# KiCad board handcart.kicad_pcb (continued)
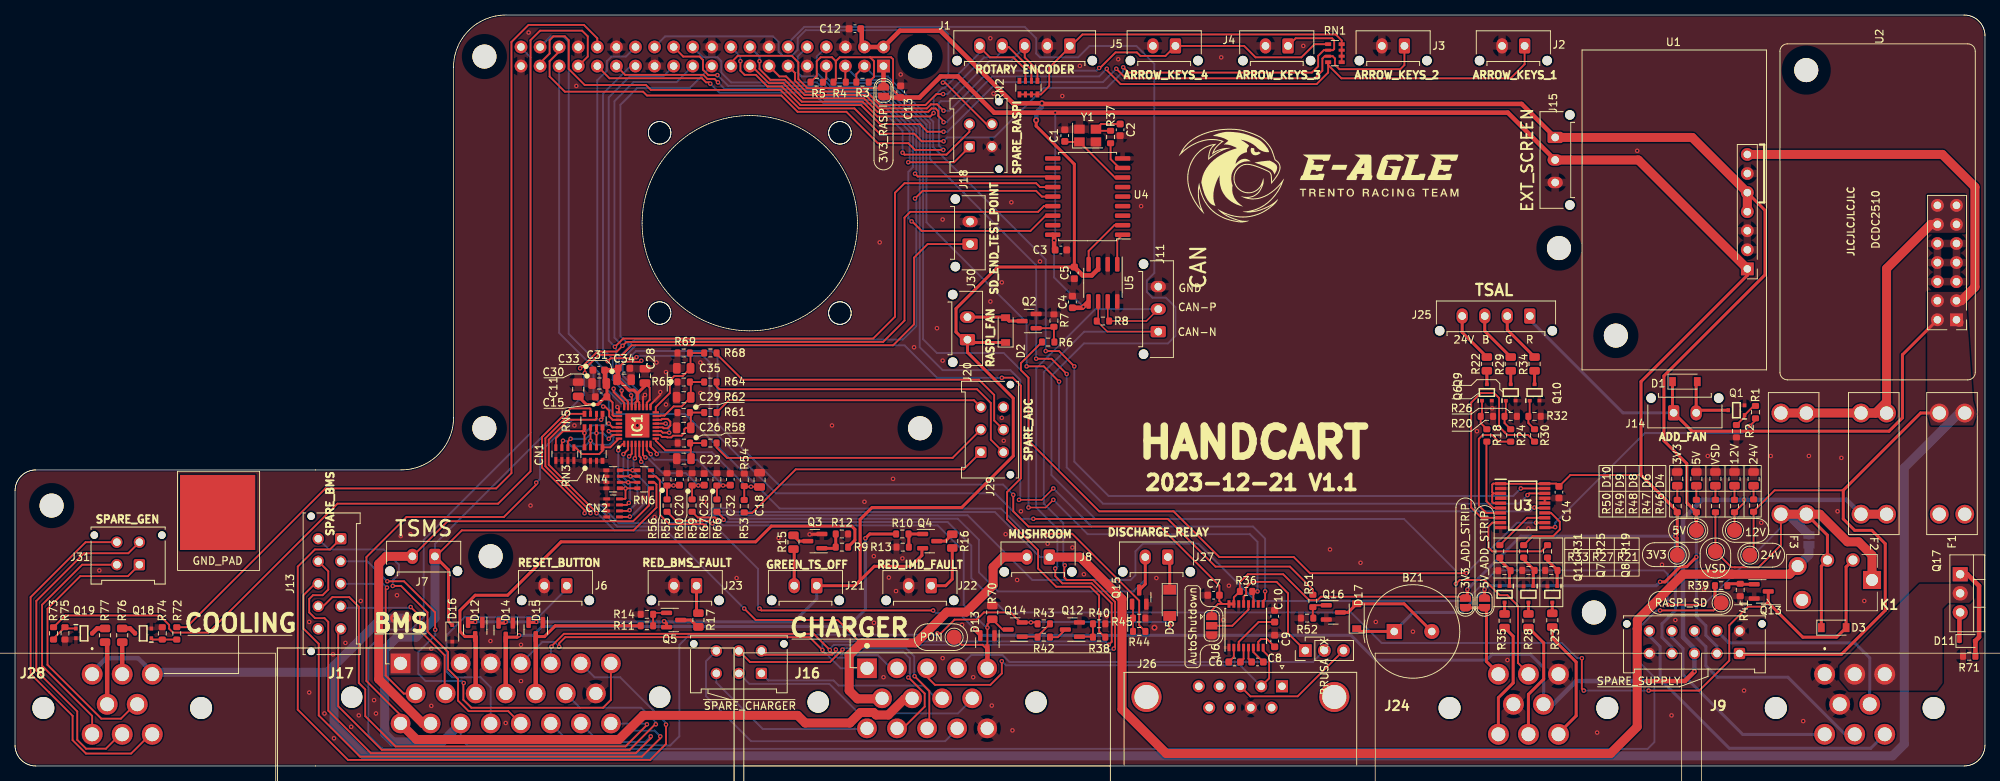
[diagram p0: board, top side]
## Nets
+3.3V: J1.1 RN1.1 RN1.2 RN1.3 RN1.4 RN2.1 RN2.2 RN2.3 RN2.4
+3V3: C3.1 C4.1 C7.1 C11.1 C13.1 C14.1 C15.1 C28.1 C30.1 C31.1 C33.1 C34.1 IC1.18 IC1.20 IC1.21 IC1.26 J10.4 J15.2 JP2.2 JP4.2 JP6.1 R3.1 R4.1 R5.1 R36.1 R50.1 TP1.1 U1.1 U3.1 U3.3 U3.5 U3.20 U4.18 U5.5 U6.15 U6.16
+5V: BZ1.1 C5.1 C12.1 D2.1 D12.2 D14.2 D15.2 D17.1 J10.2 J15.1 J19.2 J19.4 J20.1 J21.1 JP3.2 Q4.2 Q5.2 R49.1 TP2.1 U1.4 U1.5 U5.3
+12V: D13.2 F2.2 J10.3 J24.5 R47.1 R55.2 TP4.1
+24V: D1.1 F1.2 J10.1 J14.1 J17.1 J17.2 J25.1 J28.1 J28.3 R46.1 TP3.1 U1.7 U2.1 U2.2 U2.3 U2.4
GND: C1.2 C2.2 C3.2 C4.2 C5.2 C7.2 C9.2 C10.2 C11.2 C12.2 C13.2 C14.2 C15.2 C18.2 C20.2 C22.2 C25.2 C26.2 C28.2 C29.2 C30.2 C31.2 C32.2 C33.2 C34.2 C35.2 CN1.1 CN1.2 CN1.3 CN1.4 CN2.1 CN2.2 CN2.3 CN2.4 D4.1 D6.1 D8.1 D9.1 D10.1 D12.1 D13.1 D14.1 D15.1 D16.2 IC1.17 IC1.19 IC1.25 IC1.33 J1.2 J2.2 J3.2 J4.2 J5.2 J6.2 J9.1 J9.4 J10.5 J10.6 J11.3 J15.3 J16.14 J17.3 J17.4 J17.15 J18.3 J19.6 J19.9 J19.14 J19.20 J19.25 J19.30 J19.34 J19.39 J22.2 J23.2 J24.3 J24.4 J26.7 J29.6 J30.2 JP6.3 Q1.2 Q2.2 Q3.2 Q6.2 Q7.2 Q8.2 Q9.2 Q10.2 Q11.2 Q12.2 Q13.2 Q15.2 Q16.2 Q18.2 Q19.2 R2.2 R7.2 R12.2 R13.2 R14.2 R20.2 R21.2 R26.2 R27.2 R32.2 R33.2 R40.2 R41.2 R45.2 R52.2 R54.1 R56.1 R58.1 R60.1 R62.1 R65.1 R67.1 R69.1 R70.2 R71.2 R74.2 R75.2 RN3.5 RN3.6 RN3.7 RN3.8 RN4.5 RN4.6 RN4.7 RN4.8 U1.2 U1.3 U1.6 U2.5 U2.6 U2.7 U2.8 U2.9 U2.10 U3.2 U3.4 U3.10 U3.16 U3.17 U4.9 U5.2 U5.8 U6.1 U6.14 Y1.2 Y1.4
/ADD_FAN_PWM: R1.2 U3.11
/BMS_LED: D15.3 J17.13 R11.1
/BRUSA_RX: J16.4 JP5.2
/BRUSA_TX: J16.3 J26.2 U6.8
/BUT_0: J1.5 J19.15 RN2.7
/BUT_1: J2.1 J19.16 RN1.8
/BUT_2: J3.1 J19.18 RN1.7
/BUT_3: J4.1 J19.37 RN1.6
/BUT_4: J5.1 J19.13 RN1.5
/CAN_N: J11.1 J16.2 J17.6 R8.2 U5.6
/CAN_P: J11.2 J16.1 J17.5 R8.1 U5.7
/IMD_LED: D14.3 J17.12 R10.1
/Indicators/ADD_RGB_STRIP: J19.12 J24.2
/Indicators/RASPY_FAN_PWM: R6.2 U3.12
/Indicators/RASPY_STRIP1_B: R31.2 U3.13
/Indicators/RASPY_STRIP1_G: R25.2 U3.14
/Indicators/RASPY_STRIP1_R: R19.2 U3.9
/Indicators/RASPY_TSAL_B: R30.2 U3.8
/Indicators/RASPY_TSAL_G: R24.2 U3.7
/Indicators/RASPY_TSAL_R: R18.2 U3.6
/Indicators/SCL: J19.5 R4.2 U3.18
/Indicators/SDA: J19.3 R3.2 U3.19
/Indicators/STRIP1_B: J24.6 R35.2
/Indicators/STRIP1_G: J24.7 R28.2
/Indicators/STRIP1_R: J24.8 R23.2
/Indicators/TSAL_B: J25.2 R34.2
/Indicators/TSAL_G: J25.3 R29.2
/Indicators/TSAL_R: J25.4 R22.2
/Indicators/~{OE}: J19.7 R5.2 U3.15
/NC_BMS_1: J13.1 J17.7
/NC_BMS_2: J13.2 J17.8
/NC_BMS_3: J13.3 J17.9
/NC_BMS_4: J13.4 J17.10
/NC_BMS_5: J13.5 J17.14
/NC_BMS_6: J13.6 J17.20
/NC_BMS_7: J13.7 J17.21
/NC_BMS_8: J13.8 J17.22
/NC_BMS_9: J13.9 J17.23
/NC_CRG_1: J12.1 J16.8
/NC_CRG_2: J12.2 J16.9
/NC_CRG_3: J12.3 J16.10
/NC_CRG_4: J12.4 J16.11
/NC_CRG_5: J12.5 J16.12
/NC_CRG_6: J12.6 J16.13
/NC_IN_1: J9.5 J10.7
/NC_IN_2: J9.6 J10.9
/NC_IN_3: J9.7 J10.8
/NC_IN_4: J9.8 J10.10
/PON: D13.3 J16.5 Q14.3 R59.2 R70.1 TP7.1
/RASP_PON_CONTROL: J19.40 R39.2 TP6.1
/RASP_PON_DISCHARGER: J19.35 R44.1
/RASP_SD_CONTROL: J19.38 R38.2
/Raspberry/BUZZER: J19.28 R51.1
/Raspberry/CAN_~{INT}: J19.22 U4.12
/Raspberry/NC_RASP_1: J18.1 J19.29
/Raspberry/NC_RASP_2: J18.2 J19.31
/Raspberry/NC_RASP_3: J18.4 J19.26
/Raspberry/RASP_CLK: IC1.22 J19.23 U4.13
/Raspberry/RASP_MISO: IC1.27 J19.21 U4.15
/Raspberry/RASP_MOSI: IC1.24 J19.19 U4.14
/Raspberry/RASP_~{CS}: J19.24 U4.16
/RESET_BUTTON: J6.1 J17.19
/ROT_A: J1.3 J19.36 RN2.5
/ROT_B: J1.4 J19.11 RN2.6
/RS_232+FEEDBACK/ADC_0: CN1.8 IC1.29 RN3.4 RN5.5
/RS_232+FEEDBACK/ADC_1: CN1.7 IC1.30 RN3.3 RN5.6
/RS_232+FEEDBACK/ADC_2: CN1.6 IC1.31 RN3.2 RN5.7
/RS_232+FEEDBACK/ADC_3: CN1.5 IC1.32 RN3.1 RN5.8
/RS_232+FEEDBACK/ADC_4: CN2.8 IC1.1 RN4.1 RN6.8
/RS_232+FEEDBACK/ADC_5: CN2.7 IC1.2 RN4.2 RN6.7
/RS_232+FEEDBACK/ADC_6: CN2.6 IC1.3 RN4.3 RN6.6
/RS_232+FEEDBACK/ADC_7: CN2.5 IC1.4 RN4.4 RN6.5
/RS_232+FEEDBACK/ADC_8: C20.1 IC1.5 R55.1 R56.2
/RS_232+FEEDBACK/ADC_9: C25.1 IC1.6 R59.1 R60.2
/RS_232+FEEDBACK/ADC_10: C32.1 IC1.7 R66.1 R67.2
/RS_232+FEEDBACK/ADC_11: C18.1 IC1.8 R53.1 R54.2
/RS_232+FEEDBACK/ADC_12: C22.1 IC1.9 R57.1 R58.2
/RS_232+FEEDBACK/ADC_13: C26.1 IC1.10 R61.1 R62.2
/RS_232+FEEDBACK/ADC_14: C29.1 IC1.15 R64.1 R65.2
/RS_232+FEEDBACK/ADC_15: C35.1 IC1.16 R68.1 R69.2
/RS_232+FEEDBACK/COIL_DISCHARGE_FB: J27.2 Q15.3 RN6.3
/RS_232+FEEDBACK/COOLING_1: J28.2 R76.2
/RS_232+FEEDBACK/COOLING_2: J28.4 R77.2
/RS_232+FEEDBACK/NC_ADC_11: J29.1 R53.2
/RS_232+FEEDBACK/NC_ADC_12: J29.2 R57.2
/RS_232+FEEDBACK/NC_ADC_13: J29.3 R61.2
/RS_232+FEEDBACK/NC_ADC_14: J29.4 R64.2
/RS_232+FEEDBACK/NC_ADC_15: J29.5 R68.2
/RS_232+FEEDBACK/NC_GEN_1: J28.5 J31.1
/RS_232+FEEDBACK/NC_GEN_2: J28.6 J31.2
/RS_232+FEEDBACK/NC_GEN_3: J28.7 J31.3
/RS_232+FEEDBACK/NC_GEN_4: J28.8 J31.4
/RS_232+FEEDBACK/PC_TX: J26.3 JP5.3
/RS_232+FEEDBACK/RASP_COOL_1: J19.32 R72.2
/RS_232+FEEDBACK/RASP_COOL_2: J19.33 R73.2
/RS_232+FEEDBACK/RASP_RX: J19.10 U6.9
/RS_232+FEEDBACK/RASP_TX: J19.8 R36.2 U6.11
/RS_232+FEEDBACK/RASP_TX_RS232: JP5.1 U6.13
/RS_232+FEEDBACK/RELAY_SUTHDOWN_FB: D3.2 K1.2 Q13.3 R66.2
/RS_232+FEEDBACK/~{CS}: IC1.23 J19.27
/SD_BMS_IN: J16.7 J17.16 RN5.1
/SD_BMS_OUT: J7.2 J17.17 RN6.1
/SD_END: D5.2 D16.1 J7.1 J17.18 J30.1 Q14.2 R43.1 RN6.2
/SD_TO_CHARGER: J8.2 J16.6 RN5.2
/SD_TO_MUSHROOM: J8.1 JP1.2 K1.4 RN5.3
/TSAL: D12.3 J17.11 R9.1
VSD: D3.1 F3.2 JP1.1 K1.1 K1.3 R48.1 RN5.4 TP5.1
Net-(BZ1-Pad2): BZ1.2 D17.2 Q16.3
Net-(C1-Pad1): C1.1 U4.7 Y1.1
Net-(C2-Pad1): C2.1 R37.2 Y1.3
Net-(C6-Pad1): C6.1 U6.2
Net-(C6-Pad2): C6.2 U6.4
Net-(C8-Pad1): C8.1 U6.5
Net-(C8-Pad2): C8.2 U6.6
Net-(C9-Pad1): C9.1 U6.7
Net-(C10-Pad1): C10.1 U6.3
Net-(D1-Pad2): D1.2 J14.2 Q1.3
Net-(D2-Pad2): D2.2 J20.2 Q2.3
Net-(D4-Pad2): D4.2 R46.2
Net-(D5-Pad1): D5.1 J27.1
Net-(D6-Pad2): D6.2 R47.2
Net-(D8-Pad2): D8.2 R48.2
Net-(D9-Pad2): D9.2 R49.2
Net-(D10-Pad2): D10.2 R50.2
Net-(D11-Pad1): D11.1 F1.1 Q17.3
Net-(D11-Pad2): D11.2 Q17.1 R71.1
Net-(F2-Pad1): F2.1 F3.1 U2.11 U2.12 U2.13 U2.14
Net-(IC1-Pad11): IC1.11 IC1.13
Net-(IC1-Pad12): IC1.12 IC1.14
Net-(J9-Pad2): J9.2 J9.3 Q17.2
Net-(J19-Pad1): J19.1 J19.17 JP2.1
Net-(J21-Pad2): J21.2 R15.2
Net-(J22-Pad1): J22.1 R16.2
Net-(J23-Pad1): J23.1 R17.2
Net-(J24-Pad1): J24.1 JP3.1 JP4.1
Net-(JP6-Pad2): JP6.2 U6.12
Net-(Q1-Pad1): Q1.1 R1.1 R2.1
Net-(Q2-Pad1): Q2.1 R6.1 R7.1
Net-(Q3-Pad1): Q3.1 R9.2 R12.1
Net-(Q3-Pad3): Q3.3 R15.1
Net-(Q4-Pad1): Q4.1 R10.2 R13.1
Net-(Q4-Pad3): Q4.3 R16.1
Net-(Q5-Pad1): Q5.1 R11.2 R14.1
Net-(Q5-Pad3): Q5.3 R17.1
Net-(Q6-Pad1): Q6.1 R18.1 R20.1
Net-(Q6-Pad3): Q6.3 R22.1
Net-(Q7-Pad1): Q7.1 R19.1 R21.1
Net-(Q7-Pad3): Q7.3 R23.1
Net-(Q8-Pad1): Q8.1 R25.1 R27.1
Net-(Q8-Pad3): Q8.3 R28.1
Net-(Q9-Pad1): Q9.1 R24.1 R26.1
Net-(Q9-Pad3): Q9.3 R29.1
Net-(Q10-Pad1): Q10.1 R30.1 R32.1
Net-(Q10-Pad3): Q10.3 R34.1
Net-(Q11-Pad1): Q11.1 R31.1 R33.1
Net-(Q11-Pad3): Q11.3 R35.1
Net-(Q12-Pad1): Q12.1 R38.1 R40.1
Net-(Q12-Pad3): Q12.3 R42.2
Net-(Q13-Pad1): Q13.1 R39.1 R41.1
Net-(Q14-Pad1): Q14.1 R42.1 R43.2
Net-(Q15-Pad1): Q15.1 R44.2 R45.1
Net-(Q16-Pad1): Q16.1 R51.2 R52.1
Net-(Q18-Pad1): Q18.1 R72.1 R74.1
Net-(Q18-Pad3): Q18.3 R76.1
Net-(Q19-Pad1): Q19.1 R73.1 R75.1
Net-(Q19-Pad3): Q19.3 R77.1
Net-(R37-Pad1): R37.1 U4.8
Net-(U4-Pad1): U4.1 U5.1
Net-(U4-Pad2): U4.2 U5.4

Pads without a net: GND_PAD GND; IC1 28; J13 10; J26 0 1 4 5 6 8 9; K1 5; RN2 8; RN6 4; U4 3 4 5 6 10 11 17; U6 10

## Via types
v1: diameter 0.6, hole 0.3, Top to Bottom, 257 vias
v2: diameter 0.8, hole 0.4, Top to Bottom, 4 vias
v3: diameter 1.2, hole 0.6, Top to Bottom, 2 vias

## Routing (per net, layer and track width the routed paths; a pad name or vN(x,y) marks a point on that pad's centre or on a via; arc(x,y) is an arc through that point)
+3.3V: length 50.9
  Top w0.25: RN1.1 RN1.2 RN1.3 RN1.4 176.6,96.62 175.81,97.42 142.09,97.42 137.68,93 137.68,90.54 136.57,89.43 RN2.4 RN2.1
+3V3: length 476.9
  Top w0.25: 109.26,93.6 109.26,93.86 109.79,94.38 113.82,94.38 113.84,94.37 ; 109.26,93.6 109.26,91.38 R4.1 ; 109.26,93.6 109.26,93.86 108.74,94.38 107.25,94.38 106.72,93.86 106.72,91.89 R5.1 ; C13.1 116.88,90.04 116.88,94.11 116.62,94.38 113.85,94.38 113.84,94.37 ; U6.16 160.9,21.58 ; 160.9,21.58 160.15,21.58 159.3,20.72 JP6.1 ; 160.9,21.58 160.72,21.58 160.32,21.98 160.32,22.73 ; IC1.26 79.69,46.6 79.55,46.74 79.55,48.41 C15.1 ; 216.45,38.94 216.25,38.74 207.04,38.74 C14.1 205.16,37.6 U3.20 ; C7.1 160.33,24 152.44,31.88 134.92,31.88 132.89,33.92 v1(132.89,36.11) ; 113.84,94.37 114.34,93.86 114.34,91.76 R3.1 ; U6.15 162.25,22.45 R36.1 163.05,24.45 164.13,25.53 168.82,25.53 172.27,22.08 173.37,22.08 173.84,22.54 192.91,22.54 ; U3.1 196.77,37.6 196.64,37.47 196.64,36.46 196.79,36.3 ; IC1.21 82.6,48.39 82.59,48.39 82.85,48.65 83.1,48.4 IC1.20 ; U3.5 196.82,35 196.64,35.19 196.64,36.15 196.79,36.3 ; C28.1 84.49,50.37 84.49,48.76 84.1,48.37 IC1.18 ; 203.63,37.59 197.78,37.59 ; 196.79,36.3 U3.3 ; v1(83.37,53.97) 83.22,53.82 82.47,53.82 82.45,53.84 81.13,53.84 80.25,52.97
  Top w0.4: C28.1 83.86,50.62 82.85,49.6 ; 78.61,49.16 77.59,48.14 77.26,48.14 77.26,48.14 76.05,48.14 C11.1 ; U1.1 230.6,65.34 216.45,51.19 216.45,38.74 221.28,33.92 ; 193.34,22.63 v1(193.34,23.5) ; 80.31,51.44 81.7,50.05 82.39,50.05 82.85,49.6 ; 82.85,49.6 82.85,48.65 ; U6.15 U6.16 ; TP1.1 221.28,30.36 v1(221.02,30.61) 221.28,30.87 221.28,33.79 ; C15.1 78.8,50.85
  Top w0.6: 78.54,50.99 78.54,52.71 80,52.71 80.25,52.97 80.25,51.45 ; 115.74,89.02 C13.1 120.41,89.02 123.22,91.83 125.52,91.83 130.35,87 198.72,87 J15.2 ; 138.32,68.85 v1(138.32,69.98) 138.32,70.56 U4.18 ; C4.1 142.08,61.02 v1(142.22,61.16) U5.5
  Top w1.2: J15.2 216.1,80.7 U1.1
  Bottom w0.25: v1(132.89,36.11) 131.53,37.47 101.64,37.47 93.52,45.6 93.52,54.49 92.75,55.25 82.66,55.25 82.11,54.7 82.11,54.18 82.47,53.82 83.22,53.82 v1(83.37,53.97) ; v1(142.22,61.16) 138.32,65.05 v1(138.32,69.98) 138.47,70.13 v1(138.47,87)
  Bottom w0.4: J10.4 220.56,15.81 219.25,17.13 219.25,18.93 221.02,20.71 v1(221.02,30.61) 200.45,30.61 v1(193.34,23.5)
+5V: length 430.7
  Top w0.4: BZ1.1 178.99,17.91 D17.1 ; 127.17,56.4 D2.1 ; U1.5 232.96,74 232.96,65.41 219.5,51.95 219.5,43.31 222.55,40.27 222.55,35.06 223.82,33.79 v1(223.82,32.9) TP2.1 ; v1(61.26,19.18) 61.18,19.11 D12.2 ; v1(69.39,19.18) 69.31,19.11 D15.2 ; v1(65.32,19.18) 65.16,19.03 D14.2 ; v1(218.99,24.52) 219.65,24.52 221.68,26.55 222.55,26.55 v1(223.82,27.82) ; 111.8,24.01 112.5,24.71 112.5,32.83 114.09,34.42 126.03,34.42 132.89,41.28 132.89,48.98 126.79,55.08 J20.1 ; 111.8,24.01 114.39,26.59 119.28,26.59 120.73,28.04 120.73,28.99 ; 111.8,24.01 J21.1 ; v1(86.4,19.28) 86.74,18.95 Q5.2 ; 126.28,56.78 125.27,57.79 125.27,60.91 130.8,66.44 C5.1 141.01,80.14 135.93,85.22 v2(135.93,85.99) ; JP3.2 v1(195.62,23.5)
  Top w0.6: 112.72,98.18 112.72,96.1 ; C5.1 142.12,65.33 143.34,65.33 144.19,66.18 ; J15.1 200.56,88.16 136.78,88.16 v2(136.7,88.24) 132.87,88.24 123.19,97.92 117.79,97.92 J19.2 J19.4
  Top w1.2: J15.1 223.26,83.7 U1.5 U1.4
  Bottom w0.4: v1(86.4,19.28) 86.4,19.18 ; 86.4,19.18 103.68,19.18 106.72,22.23 J21.1 ; 86.4,19.18 v1(69.39,19.18) v1(65.32,19.18) v1(61.26,19.18) ; BZ1.1 186.14,20.45 192.58,20.45 v1(195.62,23.5) 196.13,24.01 218.48,24.01 v1(218.99,24.52) ; v1(223.82,32.9) v1(223.82,27.82) 223.82,19.95 225.09,18.68 225.09,17.41 226.56,15.93 J10.2
  Bottom w0.6: v2(136.7,88.24) 136.7,87.76 135.93,87 v2(135.93,85.99)
+12V: length 210.9
  Top w0.25: v1(99.1,20.96) 99.36,20.71 v1(122.22,20.71) ; R55.2 88.01,32.65 92.25,32.65 92.59,32.3 v1(92.84,32.3) ; TP4.1 228.9,33.79 230.17,35.06 v1(230.17,35.44)
  Top w0.6: v1(127.83,18.17) 128.49,17.5 ; v1(223.56,12.58) 222.29,11.31 v1(217.21,11.31)
  Top w1.2: F2.2 F2.2
  Bottom w0.25: v1(92.84,32.3) 92.85,32.3 98.91,26.23 98.91,21.15 v1(99.1,20.96) ; v1(122.22,20.71) 122.58,20.34 125.65,20.34 v1(127.83,18.17)
  Bottom w0.4: v1(127.83,18.17) 128.59,17.41 177.84,17.41 181.15,14.1 195.88,14.1 196.64,14.87 201.72,14.87 203.5,13.09 203.5,8.36
  Bottom w0.6: v1(217.21,11.31) 207.82,11.31 204.83,8.33 203.47,8.33 ; F2.2 243.83,35.44 224.58,35.44 222.04,32.9 222.04,17.15 223.56,15.63 J10.3 v1(223.56,12.58)
+24V: length 514.9
  Top w0.25: 243.38,36.71 234.23,36.71 231.44,33.92 ; 231.44,28.58 R46.1
  Top w0.4: U2.2 251.25,54.76 251.25,46.36 249.47,44.58 223.24,44.58 J14.1 ; F1.2 253.67,47 243.38,36.71 243.38,32.9 244.9,31.38 247.19,31.38 248.96,29.6 248.96,20.71 243.12,14.87 229.66,14.87 ; D1.1 220.64,47.18
  Top w1.2: U2.3 259.08,61.96 260.9,63.78 260.9,77.1 256.56,81.44 U1.7 ; 50.59,19.69 v3(50.57,19.67) 50.59,19.66 ; 258.79,59.07 U2.1
  Bottom w0.4: 201.65,59.42 214.04,47.03 J14.1
  Bottom w0.6: 10.27,12.49 12.14,14.36 16.37,14.36 18.26,12.47
  Bottom w1.2: 18.27,12.47 41.59,12.47 42.46,13.34 ; F1.2 258.79,47 251.5,39.71 251.5,2.93 249.93,1.35 46.58,1.35 42.46,5.47 42.46,13.34 ; v3(52.11,19.69) 50.59,19.69 v3(50.57,19.67) 48.79,19.67 45.09,15.97 45.09,15.93 44.44,15.29 44.41,15.29 42.46,13.34
GND: length 7.3
  Top w0.25: IC1.25 80.4,47.59 v1(80.19,47.8) ; IC1.17 84.6,48.11 85.9,49.41 v1(85.9,49.79) ; v1(83.86,49.41) 83.6,49.14 IC1.19 ; U3.16 U3.17
  Top w0.4: v1(105.78,30.84) 107.36,30.84
  vias: v1(11.22,26.04) v1(39.16,19.18) v1(39.16,9.79) v1(41.19,6.99) v1(42.32,14.87) v1(42.46,3.69) v1(43.99,16.39) v1(44.75,5.21) v1(45.76,6.74) v1(46.02,21.98) v1(47.8,8.77) v1(48.05,6.99) v1(50.84,22.74) v1(51.35,30.61) v1(52.62,30.87) v1(55.42,15.63) v1(55.42,8.01) v1(63.29,16.64) v1(65.32,5.72) v1(67.35,16.14) v1(67.35,11.31) v1(68.37,97.67) v1(68.62,34.68) v1(74.47,45.35) v1(74.72,90.56) v1(83.61,35.69) v1(85.13,33.15) v1(85.39,53.73) v1(86.66,52.46) v1(86.66,48.14) v1(91.23,53.73) v1(91.23,49.66) v1(91.74,35.19) v1(96.06,25.03) v1(101.64,30.36) v1(108.76,45.35) v1(113.07,35.19) v1(114.33,27.94) v1(114.34,19.07) v1(115.11,69.73) v1(115.61,11.82) v1(116.33,25.09) v1(116.88,38.23) v1(117.28,23.29) v1(117.9,92.08) v1(118.13,27.64) v1(119.68,55.76) v1(122.73,58.3) v1(123.49,72.78) v1(123.49,53.98) v1(123.49,14.36) v1(126.08,18.79) v1(127.55,11.82) v1(129.84,96.91) v1(129.84,61.86) v1(130.03,8.04) v1(130.26,89.54) v1(131.36,64.4) v1(131.36,46.36) v1(131.62,43.31) v1(131.87,30.87) v1(132.63,75.06) v1(132.78,4.74) v1(133.39,24.77) v1(133.9,33.92) v1(136.44,67.19) v1(137.46,29.6) v1(139.42,89.21) v1(140.76,29.09) v1(141.76,93.23) v1(142.28,25.53) v1(145.33,19.95) v1(146.86,94.11) v1(149.9,74.56) v1(151.94,25.03) v1(160.57,94.37) v1(160.82,19.46) v1(161.59,24.01) v1(171.49,95.89) v1(175.05,28.84) v1(179.11,27.06) v1(181.15,19.18) v1(186.09,17.89) v1(194.61,44.58) v1(196.64,47.63) v1(198.67,14.1) v1(201.47,31.63) v1(210.61,4.45) v1(215.94,81.92) v1(219.25,26.8) v1(220.52,6.74) v1(221.02,19.44) v1(224.83,23.5) v1(225.34,41.28) v1(230.17,10.04) v1(232.45,32.39) v1(233.72,41.28) v1(238.04,5.98) v1(238.8,41.28) v1(242.61,33.92) v1(243.12,41.03) v1(246.17,21.98) v2(82.85,45.35) v2(151.68,18.42)
/ADD_FAN_PWM: length 34.3
  Top w0.25: v1(205.02,31.81) 204.96,31.75 U3.11 ; v1(230.93,45.28) 231.69,46.05
  Bottom w0.25: v1(205.02,31.81) 205.02,32.39 216.96,44.33 229.98,44.33 v1(230.93,45.28)
/BMS_LED: length 22.2
  Top w0.4: R11.1 71.93,18.68 70.48,17.23 D15.3
  Top w0.6: 69.32,17.23 69.32,9.64
/BRUSA_RX: length 50.6
  Bottom w0.25: 125.46,12.94 127.29,14.77 131.45,14.77 132.38,13.85 172.79,13.85 172.79,13.86 174.3,15.37
/BRUSA_TX: length 55.6
  Top w0.25: 121.46,12.94 121.46,11.82 122.47,10.8 129.84,10.8 131.36,12.33 v1(131.36,13.95) ; J26.2 166.95,11.67 166.95,14.54 166.15,15.34 U6.8
  Bottom w0.25: v1(131.36,13.95) 131.92,13.4 163.1,13.4 J26.2
/BUT_0: length 46.7
  Top w0.25: v1(122.28,86.94) 121.83,86.49 114.78,86.49 112.81,88.47 104.74,88.47 102.27,90.93 100.36,90.93 98.08,93.21 ; 128.41,95.73 129.77,94.37 132.89,94.37 134.51,92.75 RN2.7
  Bottom w0.25: 128.41,94.97 123.74,90.3 123.49,90.3 122.28,89.09 v1(122.28,86.94)
/BUT_1: length 119.4
  Top w0.25: v1(99.1,93.86) 99.1,92.82 100.54,91.38 102.46,91.38 104.92,88.92 113,88.92 114.8,87.12 121.57,87.12 122.02,87.57 122.54,87.57 122.9,87.2 122.9,86.57 123.6,85.87 v1(123.6,85.73) ; 200.96,95.98 200.96,93.46 199.08,91.57 176.57,91.57 174.8,93.34 RN1.8 174.8,92.34 173.27,90.81 147.18,90.81 145.33,92.66 v1(145.33,92.84)
  Bottom w0.25: v1(145.33,92.84) 144.32,91.83 130.09,91.83 124,85.73 v1(123.6,85.73) ; J19.16 99.1,94.48 v1(99.1,93.86)
/BUT_2: length 105.6
  Top w0.25: J3.1 184.96,93.33 184.41,92.79 176.31,92.79 175.71,93.38 175.71,94.22 175.4,94.52 RN1.7 174.35,94.52 174.03,94.2 174.03,92.59 173.02,91.57 147.87,91.57 v1(146.6,92.84) ; v1(123.6,84.46) 121.46,84.46 120.44,85.48 115.16,85.48 112.63,88.02 104.55,88.02 102.09,90.48 100.17,90.48 98.61,92.03 97.12,92.03 96.56,92.59 v1(96.56,93.86)
  Bottom w0.25: v1(146.6,92.84) 144.82,91.07 130.73,91.07 124.12,84.46 v1(123.6,84.46) ; v1(96.56,93.86) 96.56,94.48 J19.18
/BUT_3: length 130.9
  Top w0.25: 69.89,93.61 71.16,94.88 71.16,96.65 71.67,97.16 73.2,97.16 73.7,96.65 73.7,92.82 75.84,90.68 83.99,90.68 84.65,90.03 101.9,90.03 104.36,87.57 111.75,87.57 115.11,84.21 119.68,84.21 120.69,83.19 v1(123.6,83.19) ; J4.1 170.48,96.91 175.32,96.91 175.6,96.62 175.6,95.48 175.45,95.32 RN1.6 174.23,95.32 173.47,94.57 173.47,93.17 172.64,92.34 148.23,92.34 v1(147.53,93.04)
  Bottom w0.25: v1(123.6,83.19) 124.11,83.7 130.35,83.7 136.95,90.3 145.33,90.3 147.53,92.5 v1(147.53,93.04)
/BUT_4: length 82.7
  Top w0.25: RN1.5 172.99,96.12 171.24,94.37 165.14,94.37 163.62,95.89 J5.1 153.14,94.56 149.81,94.56 149.35,95.02 146.5,95.02 144.42,92.95 v1(144.32,92.95) ; J19.13 101.75,91.83 102.65,91.83 105.11,89.37 113.19,89.37 114.98,87.57 121.39,87.57 121.93,88.11 122.75,88.11 v1(123.6,87.26)
  Bottom w0.25: v1(123.6,87.26) 124.38,87.26 129.71,92.59 143.96,92.59 v1(144.32,92.95)
/CAN_N: length 160.5
  Top w0.2: R8.2 145.41,57.84 J11.1 ; U5.6 144.19,59.44
  Top w0.25: v1(108.47,15.44) 106.31,17.6 73.06,17.6 71.42,15.96 v1(71.42,15.89) ; v1(139.74,26.72) 139.68,26.65 139.68,25.09 140,24.77 143.52,24.77 146.44,21.85 146.44,15.8 v1(146.26,15.63)
  Bottom w0.25: 71.32,13.81 71.32,15.79 v1(71.42,15.89) ; 116.69,12.94 114.85,14.79 110.99,14.79 110.63,14.43 109.47,14.43 108.47,15.42 v1(108.47,15.44) 108.47,15.6 109,16.14 144.7,16.14 145.33,15.51 146.15,15.51 v1(146.26,15.63) ; v1(139.74,26.72) 139.55,26.91 139.55,32.33 136.95,34.93 136.95,52.46 142.33,57.84 J11.1
/CAN_P: length 162.2
  Top w0.2: U5.7 145.46,59.44 ; J11.2 150.6,59.25 145.65,59.25
  Top w0.25: v1(72.43,15.88) 72.43,16.34 73.25,17.15 105.78,17.15 v1(107.49,15.44) ; v1(145.59,16.14) 145.99,16.54 145.99,21.66 143.33,24.32 139.43,24.32 138.47,25.28 v1(138.47,26.3)
  Bottom w0.25: J16.1 109.92,13.01 v1(107.49,15.44) 107.49,16.39 107.68,16.59 145.14,16.59 v1(145.59,16.14) ; v1(138.47,26.3) 138.76,26.58 138.76,31.59 135.93,34.42 135.93,52.97 143.81,60.84 J11.2 ; 67.32,13.64 70.2,16.51 71.8,16.51 v1(72.43,15.88)
/IMD_LED: length 70.7
  Top w0.4: D14.3 66.85,17.15 v1(67.1,17.41) ; R10.1 113.78,30.89 v1(113.2,30.32)
  Top w0.6: D14.3 65.32,9.64
  Bottom w0.4: v1(113.2,30.32) 113.2,20.83 110.95,18.58 70.15,18.58 68.97,17.41 v1(67.1,17.41)
/Indicators/ADD_RGB_STRIP: length 205.6
  Top w0.25: v1(191.81,24.26) 192.32,24.77 195.62,24.77 197.65,22.75 198.66,22.75 200.08,21.33 200.08,13.71 201.47,12.33
  Bottom w0.25: v1(191.81,24.26) 191.81,25.98 184.89,32.9 143.81,32.9 137.97,38.74 137.97,51.95 142.28,56.27 153.46,56.27 154.48,57.28 154.48,61.09 153.21,62.36 151.43,62.36 150.67,63.13 150.67,64.65 151.66,65.65 151.66,93.49 149.27,95.89 143.05,95.89 141.52,94.37 136.44,94.37 135.93,94.88 135.93,96.91 134.41,98.43 105.07,98.43 102.91,96.27
/Indicators/RASPY_FAN_PWM: length 93.6
  Top w0.25: v1(202.48,32.39) 203.65,32.39 ; v1(193.21,25.66) 172.38,25.66 170.22,27.82 160.32,27.82 154.22,33.92 144.32,33.92 134.92,43.31 134.92,51.7 133.9,52.71 133.9,53.65 R6.2
  Bottom w0.25: v1(202.48,32.39) 199.94,32.39 v1(193.21,25.66)
/Indicators/RASPY_STRIP1_B: length 7.5
  Top w0.25: U3.13 201.3,33.05 197.66,29.41
/Indicators/RASPY_STRIP1_G: length 9.2
  Top w0.25: 200.83,29.41 202.04,30.61 204.77,30.61 205.65,31.49 205.65,32.53 204.47,33.7 U3.14
/Indicators/RASPY_STRIP1_R: length 13.1
  Top w0.25: U3.9 196.66,32.4 196.13,31.87 196.13,29.09 196.64,28.58 203.18,28.58 204.01,29.41
/Indicators/RASPY_TSAL_B: length 32.3
  Top w0.25: R30.2 201.4,44.08 198.66,44.08 198.31,44.43 198.31,44.44 197.56,45.19 197.56,49 196.89,49.66 195.12,49.66 193.85,48.39 193.85,34.42 195.22,33.05 U3.8
/Indicators/RASPY_TSAL_G: length 17
  Top w0.25: R24.2 197.52,43.19 196.64,44.08 195.37,44.08 194.86,43.57 194.86,34.68 195.84,33.7 U3.7
/Indicators/RASPY_TSAL_R: length 10.1
  Top w0.25: 195.88,43.14 195.88,35.26 196.78,34.35 U3.6
/Indicators/SCL: length 137.3
  Top w0.25: v1(135.93,54.24) 137.58,54.24 137.59,54.23 137.97,54.23 v1(140,52.2) ; v1(201.34,36.07) 201.57,36.3 U3.18 ; J19.5 110.53,91.13
  Bottom w0.25: v1(201.34,36.07) 200.2,34.93 144.82,34.93 140,39.76 v1(140,52.2) ; 110.53,93.15 112.31,91.38 116.02,91.38 121.78,85.61 121.78,80.83 135.93,66.68 v1(135.93,54.24)
/Indicators/SDA: length 133.9
  Top w0.25: U3.19 200.46,36.95 v1(200.45,36.96) ; R3.2 111.99,92.13 J19.3 ; v1(137.2,55.25) 138.98,55.25 v1(141.01,53.22)
  Bottom w0.25: J19.3 114.45,91.83 116.2,91.83 122.23,85.8 122.23,82.42 137.2,67.44 v1(137.2,55.25) ; v1(141.01,53.22) 141.01,40.52 145.59,35.95 199.43,35.95 v1(200.45,36.96)
/Indicators/STRIP1_B: length 15.4
  Top w0.4: R35.2 199.43,17.28 199.43,11.06 197.47,9.09 197.47,4.33
/Indicators/STRIP1_G: length 15.8
  Top w0.4: 201.47,4.33 201.47,9.53 203.5,11.56 203.5,16.39 R28.2
/Indicators/STRIP1_R: length 16.5
  Top w0.4: 205.47,4.33 207.82,6.68 207.82,13.85 204.64,17.02 R23.2
/Indicators/TSAL_B: length 7
  Top w0.4: J25.2 198.65,58.09 R34.2
/Indicators/TSAL_G: length 6.9
  Top w0.4: R29.2 195.65,57.92 J25.3
/Indicators/TSAL_R: length 6.8
  Top w0.4: J25.4 192.65,57.74 R22.2
/Indicators/~{OE}: length 141.7
  Top w0.25: J19.7 107.99,91.51 R5.2 ; v1(138.98,51.19) 136.95,53.22 v1(134.66,53.22) ; v1(202.25,34.42) 202.32,34.35 U3.15
  Bottom w0.25: v1(134.66,53.22) 134.66,59.06 121.33,72.39 121.33,85.43 115.83,90.93 108.77,90.93 107.99,91.7 J19.7 ; v1(138.98,51.19) 138.98,39.25 144.32,33.92 201.74,33.92 v1(202.25,34.42)
/NC_BMS_1: length 96.4
  Top w0.25: v1(86.66,5.51) 86.66,2.93 84.53,0.8 44.33,0.8 37.64,7.5 37.64,26.55 39.92,28.84 41.93,28.84 J13.1
  Bottom w0.25: v1(86.66,5.51) 86.66,5.72 80.56,11.82 77.14,11.82 75.32,13.64
/NC_BMS_2: length 58.7
  Top w0.25: v1(55.94,18.15) 55.92,18.17 55.92,20.45 51.78,24.6 v1(49.56,24.6) ; 79.32,13.64 79.32,8.8 78.28,7.75 60.75,7.75 59.68,8.82 59.68,11.01 v1(59.73,11.06)
  Bottom w0.25: J13.2 46.89,27.26 v1(49.56,24.6) ; v1(55.94,18.15) 55.94,17.42 53.68,15.17 53.68,12.28 54.65,11.31 59.48,11.31 v1(59.73,11.06)
/NC_BMS_3: length 23.1
  Top w0.25: 53.32,9.64 51.75,9.64 49.34,12.05 49.34,23.58 v1(49.51,23.76)
  Bottom w0.25: J13.3 49.01,24.26 v1(49.51,23.76)
/NC_BMS_4: length 22
  Top w0.25: 57.19,10.16 57.19,14.74 53.89,18.04 53.89,19.95 v1(52.67,21.17)
  Bottom w0.25: 43.56,21.06 52.57,21.06 v1(52.67,21.17)
/NC_BMS_5: length 69.9
  Top w0.25: v1(85.3,5.55) 85.22,5.55 81.82,2.15 48.82,2.15 43.02,7.96 43.02,17.92
  Bottom w0.25: 73.32,9.64 75.21,7.75 83.36,7.75 85.3,5.81 v1(85.3,5.55)
/NC_BMS_6: length 44.5
  Top w0.25: 67.32,5.64 65.66,7.3 60.37,7.3 58.97,8.71 58.97,11.56 57.64,12.89 57.64,15.18 54.91,17.91 54.91,20.45 51.39,23.97 v1(50.28,23.97)
  Bottom w0.25: v1(50.28,23.97) 50.28,24.72 51.1,25.53 51.1,26.8 49.07,28.84 41.79,28.84 J13.6
/NC_BMS_7: length 85
  Top w0.25: J13.7 41.7,25.92 41.7,23.5 40.94,22.74 39.67,22.74 39.16,22.23 39.16,20.45 39.92,19.69 41.19,19.69 41.7,19.18 41.7,7.37 47.37,1.7 82.64,1.7 84.63,3.69 v1(84.63,3.94)
  Bottom w0.25: 71.32,5.64 73.78,3.18 83.86,3.18 v1(84.63,3.94)
/NC_BMS_8: length 79.9
  Top w0.25: 39.92,24.26 38.4,22.74 38.4,18.3 40.43,16.26 40.43,6.74 45.91,1.25 83.46,1.25 85.9,3.69 v1(85.9,3.94)
  Bottom w0.25: 75.32,5.64 77.02,3.94 80.31,3.94 81.07,4.71 85.13,4.71 v1(85.9,3.94)
/NC_BMS_9: length 66.6
  Top w0.25: J13.9 41.02,21.26 42.24,22.49 44.49,22.49 45.76,21.22 45.76,11.06 46.62,10.2 46.62,6.64 50.66,2.6 81.25,2.6 84.12,5.47 v1(84.12,5.55)
  Bottom w0.25: 79.32,5.64 84.03,5.64 v1(84.12,5.55)
/NC_CRG_1: length 24.7
  Bottom w0.25: J12.1 100.29,11.39 108.96,11.39 109.64,10.71 120.92,10.71 122.69,8.94
/NC_CRG_2: length 34.1
  Bottom w0.25: 127.46,8.94 125.51,6.99 112.34,6.99 108.39,10.94 97.74,10.94 J12.2
/NC_CRG_3: length 23.9
  Bottom w0.25: 113.45,4.93 99.53,4.93 93.36,11.11 J12.3
/NC_CRG_4: length 32.8
  Top w0.25: v1(109.26,15.51) 109.26,15.32 108.76,14.82 99.86,14.82 J12.4 ; 118.13,4.94 121.09,7.9 121.09,9.65 118.95,11.79 v1(118.92,11.79)
  Bottom w0.25: v1(118.92,11.79) 119.13,12 119.13,14.34 118.23,15.24 110.8,15.24 110.44,14.88 109.89,14.88 109.26,15.51 v1(109.26,15.51)
/NC_CRG_5: length 35.4
  Top w0.25: v1(119.75,11.96) 121.71,10 121.71,5.19 ; v1(110.15,15.5) 108.5,13.85 97.83,13.85 J12.5
  Bottom w0.25: v1(119.75,11.96) 119.7,12 119.7,14.59 118.6,15.69 110.34,15.69 v1(110.15,15.5)
/NC_CRG_6: length 43.2
  Bottom w0.25: J12.6 91.99,13.96 91.99,9.3 97.99,3.3 123.82,3.3 125.46,4.94
/NC_IN_1: length 28
  Bottom w0.4: J10.7 228.16,16.39 244.9,16.39 246.9,14.39 J9.5
/NC_IN_2: length 28.6
  Bottom w0.4: 240.88,4.2 230,4.2 222.04,12.16 222.04,15.63 220.56,17.1 J10.9
/NC_IN_3: length 28.9
  Bottom w0.4: J9.7 243.61,4.22 236.01,11.82 226.61,11.82 225.09,13.34 225.09,15.88 223.56,17.41 J10.8
/NC_IN_4: length 41.5
  Bottom w0.4: J10.10 217.56,17.31 218.99,15.88 218.99,11.56 228.2,2.35 247.03,2.35 J9.8
/PON: length 64.5
  Top w0.25: TP7.1 126.03,16.14 128.79,16.14 D13.3 v1(129.44,18.42) 129.44,18.89 R70.1 131.47,18.17 Q14.3 ; v1(93.48,32.78) 93.17,33.1 90.89,33.1 R59.2
  Top w0.6: D13.3 129.44,12.95
  Bottom w0.25: v1(93.48,32.78) 93.48,32.75 94.2,32.03 122.83,32.03 126.28,28.58 126.28,21.47 129.33,18.42 v1(129.44,18.42)
/RASP_PON_CONTROL: length 306.1
  Top w0.25: TP6.1 226.1,20.71 v1(218.99,20.71)
  Top w0.4: R39.2 226.29,22.55 TP6.1
  Bottom w0.25: 67.35,95.64 68.62,94.37 68.62,44.33 54.4,30.11 54.4,19.82 52.75,18.17 49.57,18.17 47.03,15.63 47.03,4.2 48.95,2.28 217.33,2.28 218.23,3.18 218.23,11.82 216.2,13.85 216.2,18.42 218.48,20.71 v1(218.99,20.71)
/RASP_PON_DISCHARGER: length 134.1
  Top w0.25: R44.1 149.65,18.74 149.65,22.01 140.73,30.93 137.69,30.93 v1(137.52,30.75)
  Bottom w0.25: J19.35 72.43,57.67 77.77,52.33 77.77,49.92 79.04,48.65 79.04,47.63 79.8,46.87 89.2,46.87 101.78,34.28 131.25,34.28 134.78,30.75 v1(137.52,30.75)
/RASP_SD_CONTROL: length 162.9
  Top w0.25: 145.08,17.15 144.32,17.91 144.32,22.7 143.14,23.87 138.61,23.87 136.19,26.3 136.19,28.73 132.07,32.85 132.07,36.47 133.9,38.31 133.9,50.63 132.82,51.71 131.38,51.71 v1(131.36,51.7)
  Bottom w0.25: J19.38 71.31,97.16 72.94,97.16 73.7,96.4 73.7,57.54 78.78,52.46 78.78,50.17 80.68,48.28 82.46,48.28 83.09,48.91 83.09,49.8 80.9,52 80.9,54.29 82.62,56.01 118.41,56.01 122.73,51.7 v1(131.36,51.7)
/Raspberry/BUZZER: length 158.5
  Top w0.25: R51.1 172.76,23.5 169.72,26.55 159.81,26.55 153.46,32.9 135.57,32.9 v1(135.56,32.91) ; v1(82.73,54.44) 82.58,54.29 79.29,54.29 v1(78.9,53.9)
  Bottom w0.25: v1(82.73,54.44) 82.91,54.62 91.61,54.62 92.44,53.79 92.44,45.15 101.28,36.31 130.47,36.31 133.87,32.91 v1(135.56,32.91) ; v1(78.9,53.9) 77.51,55.29 77.51,91.32 78.78,92.59 78.78,93.86 79.4,94.48 81.32,94.48 J19.28
/Raspberry/CAN_~{INT}: length 59.6
  Top w0.25: 138,78.5 120.18,78.5 v1(119.81,78.87)
  Bottom w0.25: J19.22 91.58,94.38 93.5,94.38 94.02,93.86 94.02,92.34 95.33,91.03 106.76,91.03 108.21,89.58 115.27,89.58 119.98,84.87 119.98,79.05 v1(119.81,78.87)
/Raspberry/NC_RASP_1: length 55.8
  Top w0.25: v1(93.58,91.03) 93.12,91.49 92.17,91.49 91.63,92.03 81.23,92.03 J19.29 ; 127.04,82.43 125.01,80.4 v1(118.91,80.4)
  Bottom w0.25: v1(118.91,80.4) 119.08,80.57 119.08,84.49 114.9,88.68 107.84,88.68 106.38,90.13 94.48,90.13 v1(93.58,91.03)
/Raspberry/NC_RASP_2: length 58.4
  Top w0.25: J19.31 79.14,91.58 91.44,91.58 91.98,91.04 92.38,91.04 v1(92.55,90.87) ; v1(118.15,81.67) 118.41,81.41 124,81.41 127.04,84.46 J18.2
  Bottom w0.25: v1(118.15,81.67) 118.15,84.58 114.51,88.23 107.65,88.23 106.2,89.68 93.74,89.68 v1(92.55,90.87)
/Raspberry/NC_RASP_3: length 59.6
  Top w0.25: J18.4 129.33,85.48 123.81,91 v1(123.52,91)
  Bottom w0.25: v1(123.52,91) 124.25,91.73 124.25,97.42 123.68,97.98 105.26,97.98 104.18,96.91 104.18,95.36 103.4,94.57 102.2,94.57 101.64,95.13 101.64,96.4 100.88,97.16 86.55,97.16 J19.26
/Raspberry/RASP_CLK: length 130.1
  Top w0.25: v1(79.86,55.82) 80.96,56.92 114.24,56.92 117.14,59.82 117.14,76.33 118.41,77.6 135.93,77.6 136.44,77.1 U4.13 ; IC1.22 82.1,49.27 v1(82.02,49.35)
  Bottom w0.25: J19.23 86.29,91.83 81.83,91.83 79.04,89.03 79.04,56.64 v1(79.86,55.82) 80,55.68 80,51.63 82.02,49.6 v1(82.02,49.35)
